# KiCad board chromogram.kicad_pcb (continued)
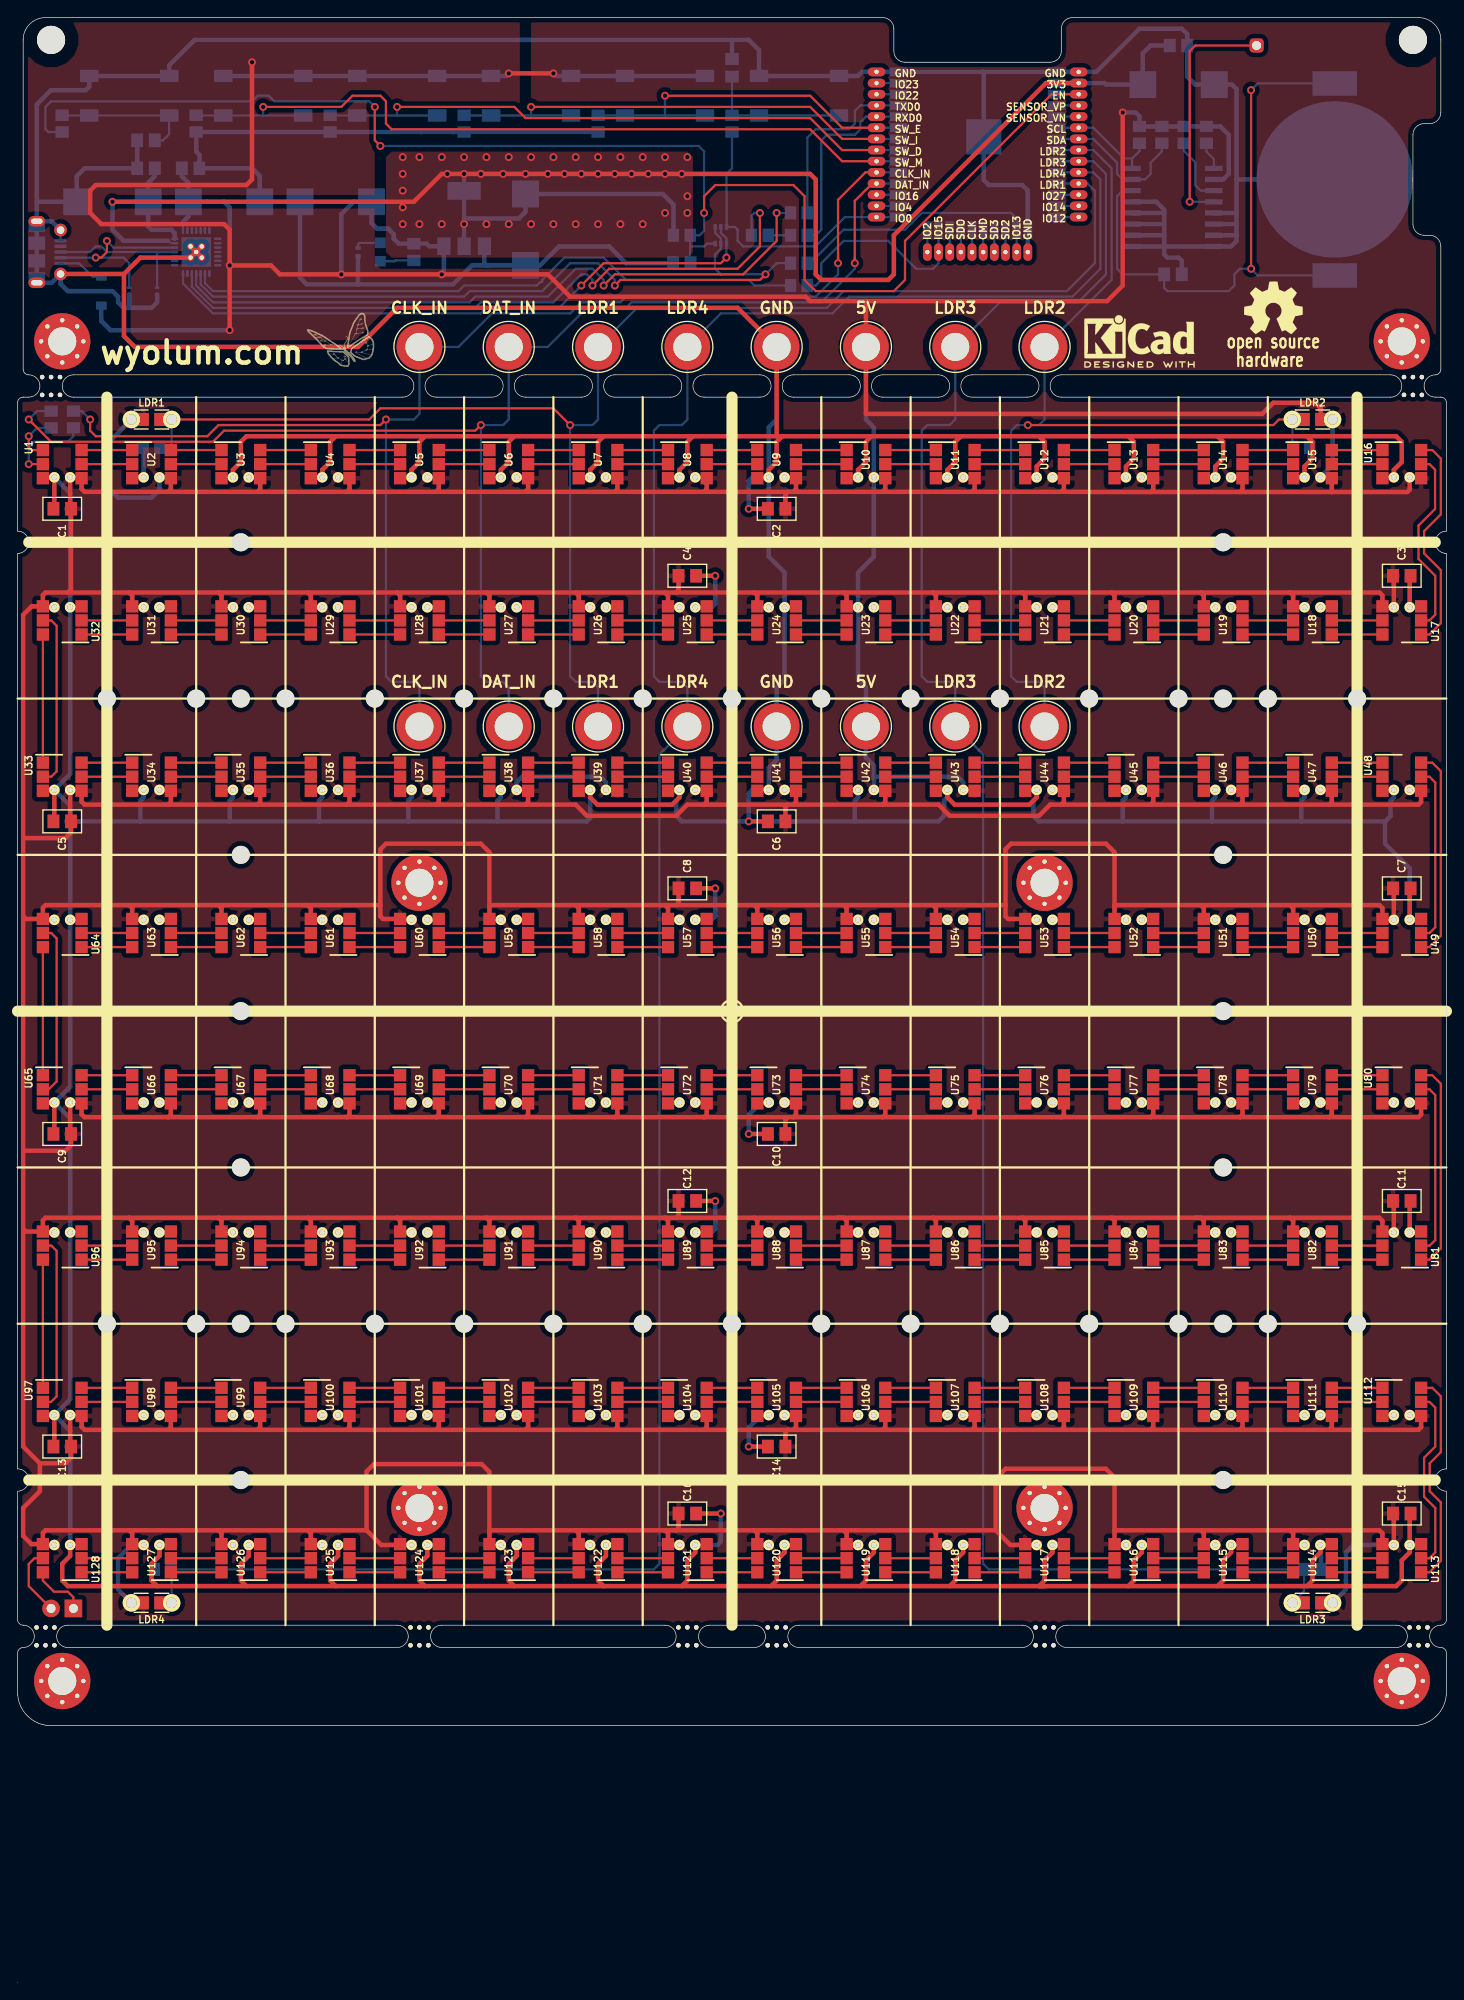
[diagram p0: board, top side]
## Nets
/3V3: C18.1 C23.1 C24.1 C27.1 C28.1 R3.1 U129.2 U131.2 U132.6 U132.7
/5V: C1.2 C2.2 C3.2 C4.2 C5.2 C6.2 C7.2 C8.2 C9.2 C10.2 C11.2 C12.2 C13.2 C14.2 C15.2 C16.2 C17.1 C25.1 C26.1 D1.2 J7.1 J15.1 LDR1.1 LDR2.1 LDR3.1 LDR4.1 R4.1 R6.1 R7.1 R8.1 R9.1 S1.1 S1.3 S2.1 S2.3 S5.1 S5.3 S6.1 S6.3 U1.4 U2.4 U3.4 U4.4 U5.4 U6.4 U7.4 U8.4 U9.4 U10.4 U11.4 U12.4 U13.4 U14.4 U15.4 U16.4 U17.4 U18.4 U19.4 U20.4 U21.4 U22.4 U23.4 U24.4 U25.4 U26.4 U27.4 U28.4 U29.4 U30.4 U31.4 U32.4 U33.4 U34.4 U35.4 U36.4 U37.4 U38.4 U39.4 U40.4 U41.4 U42.4 U43.4 U44.4 U45.4 U46.4 U47.4 U48.4 U49.4 U50.4 U51.4 U52.4 U53.4 U54.4 U55.4 U56.4 U57.4 U58.4 U59.4 U60.4 U61.4 U62.4 U63.4 U64.4 U65.4 U66.4 U67.4 U68.4 U69.4 U70.4 U71.4 U72.4 U73.4 U74.4 U75.4 U76.4 U77.4 U78.4 U79.4 U80.4 U81.4 U82.4 U83.4 U84.4 U85.4 U86.4 U87.4 U88.4 U89.4 U90.4 U91.4 U92.4 U93.4 U94.4 U95.4 U96.4 U97.4 U98.4 U99.4 U100.4 U101.4 U102.4 U103.4 U104.4 U105.4 U106.4 U107.4 U108.4 U109.4 U110.4 U111.4 U112.4 U113.4 U114.4 U115.4 U116.4 U117.4 U118.4 U119.4 U120.4 U121.4 U122.4 U123.4 U124.4 U125.4 U126.4 U127.4 U128.4 U130.2 U131.3 U132.8
GND: BT1.2 C1.1 C2.1 C3.1 C4.1 C5.1 C6.1 C7.1 C8.1 C9.1 C10.1 C11.1 C12.1 C13.1 C14.1 C15.1 C16.1 C17.2 C18.2 C19.2 C20.2 C21.2 C22.2 C23.2 C24.2 C25.2 C26.2 C27.2 C28.2 D3.1 D4.1 J8.1 J16.1 JP1.1 P1.5 P1.6 R10.2 R11.2 R12.2 R13.2 R14.2 R15.2 R24.2 R25.2 S3.2 S3.4 S4.2 S4.4 U1.3 U2.3 U3.3 U4.3 U5.3 U6.3 U7.3 U8.3 U9.3 U10.3 U11.3 U12.3 U13.3 U14.3 U15.3 U16.3 U17.3 U18.3 U19.3 U20.3 U21.3 U22.3 U23.3 U24.3 U25.3 U26.3 U27.3 U28.3 U29.3 U30.3 U31.3 U32.3 U33.3 U34.3 U35.3 U36.3 U37.3 U38.3 U39.3 U40.3 U41.3 U42.3 U43.3 U44.3 U45.3 U46.3 U47.3 U48.3 U49.3 U50.3 U51.3 U52.3 U53.3 U54.3 U55.3 U56.3 U57.3 U58.3 U59.3 U60.3 U61.3 U62.3 U63.3 U64.3 U65.3 U66.3 U67.3 U68.3 U69.3 U70.3 U71.3 U72.3 U73.3 U74.3 U75.3 U76.3 U77.3 U78.3 U79.3 U80.3 U81.3 U82.3 U83.3 U84.3 U85.3 U86.3 U87.3 U88.3 U89.3 U90.3 U91.3 U92.3 U93.3 U94.3 U95.3 U96.3 U97.3 U98.3 U99.3 U100.3 U101.3 U102.3 U103.3 U104.3 U105.3 U106.3 U107.3 U108.3 U109.3 U110.3 U111.3 U112.3 U113.3 U114.3 U115.3 U116.3 U117.3 U118.3 U119.3 U120.3 U121.3 U122.3 U123.3 U124.3 U125.3 U126.3 U127.3 U128.3 U129.1 U129.15 U129.38 U129.39 U130.5 U130.6 U130.7 U130.8 U130.9 U130.10 U130.11 U130.12 U130.13 U131.1 U132.3 U132.29
/CI_A: R2.2 U1.2
/CI_B: U16.5 U17.2
/CI_C: U32.5 U33.2
/CI_D: U48.5 U49.2
/CI_E: U64.5 U65.2
/CI_F: U80.5 U81.2
/CI_G: U96.5 U97.2
/CI_H: U112.5 U113.2
/CLK: U129.20
/CLK_IN: J1.1 J9.1 R2.1 U129.29
/CLK_OUT: P2.2 U128.5
/CMD: U129.19
/DAT_IN: J2.1 J10.1 R1.1 U129.28
/DAT_OUT: P2.1 U128.6
/DI_A: R1.2 U1.1
/DI_B: U16.6 U17.1
/DI_C: U32.6 U33.1
/DI_D: U48.6 U49.1
/DI_E: U64.6 U65.1
/DI_F: U80.6 U81.1
/DI_G: U96.6 U97.1
/DI_H: U112.6 U113.1
/DTR: Q1.2 Q1.4 U132.28
/EN: C19.1 Q1.6 R3.2 R16.1 U129.3
/esp_pwr_uart/CTS: R19.2 U132.23
/esp_pwr_uart/RTS: Q1.1 Q1.5 R20.2 U132.24
/esp_pwr_uart/RXD: R21.2 U132.25
/esp_pwr_uart/TXD: R22.1 R23.2
/esp_pwr_uart/USB_D+: D3.2 P1.3 U132.4
/esp_pwr_uart/USB_D-: D4.2 P1.2 U132.5
/IO0: Q1.3 R18.1 U129.25
/IO2: U129.24
/IO4: U129.26
/IO12: U129.14
/IO13: R20.1 U129.16
/IO14: U129.13
/IO15: R19.1 U129.23
/IO16: U129.27
/IO22: U129.36
/IO23: U129.37
/IO27: U129.12
/LDR1: J3.1 J11.1 LDR1.2 R12.1 U129.11
/LDR2: J4.1 J12.1 LDR2.2 R13.1 U129.8
/LDR3: J5.1 J13.1 LDR3.2 R14.1 U129.9
/LDR4: J6.1 J14.1 LDR4.2 R15.1 U129.10
/rtc_ds3231/32kHz: R7.2 U130.1
/rtc_ds3231/BAT: BT1.1 C22.1 U130.14
/rtc_ds3231/RESET: TP1.1 U130.4
/rtc_ds3231/SQR: R6.2 U130.3
/RXD0: R23.1 U129.34
/SCL: R8.2 U129.6 U130.16
/SD2: U129.17
/SD3: U129.18
/SDA: R9.2 U129.7 U130.15
/SDI: U129.22
/SDO: U129.21
/SENSOR_VN: U129.5
/SENSOR_VP: U129.4
/SW_D: R24.1 S5.2 S5.4 U129.31
/SW_E: R10.1 S1.2 S1.4 U129.33
/SW_I: R11.1 S2.2 S2.4 U129.32
/SW_M: R25.1 S6.2 S6.4 U129.30
/TXD0: R21.1 U129.35
Net-(C20-Pad1): C20.1 R16.2 S3.1 S3.3
Net-(C21-Pad1): C21.1 R18.2 S4.1 S4.3
Net-(D1-Pad1): D1.1 P1.1
Net-(D2-Pad1): D2.1 R4.2
Net-(D2-Pad2): D2.2 JP1.2
Net-(R22-Pad2): R22.2 U132.26
Net-(U1-Pad5): U1.5 U2.2
Net-(U1-Pad6): U1.6 U2.1
Net-(U2-Pad5): U2.5 U3.2
Net-(U2-Pad6): U2.6 U3.1
Net-(U3-Pad5): U3.5 U4.2
Net-(U3-Pad6): U3.6 U4.1
Net-(U4-Pad5): U4.5 U5.2
Net-(U4-Pad6): U4.6 U5.1
Net-(U5-Pad5): U5.5 U6.2
Net-(U5-Pad6): U5.6 U6.1
Net-(U6-Pad5): U6.5 U7.2
Net-(U6-Pad6): U6.6 U7.1
Net-(U7-Pad5): U7.5 U8.2
Net-(U7-Pad6): U7.6 U8.1
Net-(U8-Pad5): U8.5 U9.2
Net-(U8-Pad6): U8.6 U9.1
Net-(U10-Pad1): U9.6 U10.1
Net-(U10-Pad2): U9.5 U10.2
Net-(U10-Pad5): U10.5 U11.2
Net-(U10-Pad6): U10.6 U11.1
Net-(U11-Pad5): U11.5 U12.2
Net-(U11-Pad6): U11.6 U12.1
Net-(U12-Pad5): U12.5 U13.2
Net-(U12-Pad6): U12.6 U13.1
Net-(U13-Pad5): U13.5 U14.2
Net-(U13-Pad6): U13.6 U14.1
Net-(U14-Pad5): U14.5 U15.2
Net-(U14-Pad6): U14.6 U15.1
Net-(U15-Pad5): U15.5 U16.2
Net-(U15-Pad6): U15.6 U16.1
Net-(U17-Pad5): U17.5 U18.2
Net-(U17-Pad6): U17.6 U18.1
Net-(U18-Pad5): U18.5 U19.2
Net-(U18-Pad6): U18.6 U19.1
Net-(U19-Pad5): U19.5 U20.2
Net-(U19-Pad6): U19.6 U20.1
Net-(U20-Pad5): U20.5 U21.2
Net-(U20-Pad6): U20.6 U21.1
Net-(U21-Pad5): U21.5 U22.2
Net-(U21-Pad6): U21.6 U22.1
Net-(U22-Pad5): U22.5 U23.2
Net-(U22-Pad6): U22.6 U23.1
Net-(U23-Pad5): U23.5 U24.2
Net-(U23-Pad6): U23.6 U24.1
Net-(U24-Pad5): U24.5 U25.2
Net-(U24-Pad6): U24.6 U25.1
Net-(U25-Pad5): U25.5 U26.2
Net-(U25-Pad6): U25.6 U26.1
Net-(U26-Pad5): U26.5 U27.2
Net-(U26-Pad6): U26.6 U27.1
Net-(U27-Pad5): U27.5 U28.2
Net-(U27-Pad6): U27.6 U28.1
Net-(U28-Pad5): U28.5 U29.2
Net-(U28-Pad6): U28.6 U29.1
Net-(U29-Pad5): U29.5 U30.2
Net-(U29-Pad6): U29.6 U30.1
Net-(U30-Pad5): U30.5 U31.2
Net-(U30-Pad6): U30.6 U31.1
Net-(U31-Pad5): U31.5 U32.2
Net-(U31-Pad6): U31.6 U32.1
Net-(U33-Pad5): U33.5 U34.2
Net-(U33-Pad6): U33.6 U34.1
Net-(U34-Pad5): U34.5 U35.2
Net-(U34-Pad6): U34.6 U35.1
Net-(U35-Pad5): U35.5 U36.2
Net-(U35-Pad6): U35.6 U36.1
Net-(U36-Pad5): U36.5 U37.2
Net-(U36-Pad6): U36.6 U37.1
Net-(U37-Pad5): U37.5 U38.2
Net-(U37-Pad6): U37.6 U38.1
Net-(U38-Pad5): U38.5 U39.2
Net-(U38-Pad6): U38.6 U39.1
Net-(U39-Pad5): U39.5 U40.2
Net-(U39-Pad6): U39.6 U40.1
Net-(U40-Pad5): U40.5 U41.2
Net-(U40-Pad6): U40.6 U41.1
Net-(U41-Pad5): U41.5 U42.2
Net-(U41-Pad6): U41.6 U42.1
Net-(U42-Pad5): U42.5 U43.2
Net-(U42-Pad6): U42.6 U43.1
Net-(U43-Pad5): U43.5 U44.2
Net-(U43-Pad6): U43.6 U44.1
Net-(U44-Pad5): U44.5 U45.2
Net-(U44-Pad6): U44.6 U45.1
Net-(U45-Pad5): U45.5 U46.2
Net-(U45-Pad6): U45.6 U46.1
Net-(U46-Pad5): U46.5 U47.2
Net-(U46-Pad6): U46.6 U47.1
Net-(U47-Pad5): U47.5 U48.2
Net-(U47-Pad6): U47.6 U48.1
Net-(U49-Pad5): U49.5 U50.2
Net-(U49-Pad6): U49.6 U50.1
Net-(U50-Pad5): U50.5 U51.2
Net-(U50-Pad6): U50.6 U51.1
Net-(U51-Pad5): U51.5 U52.2
Net-(U51-Pad6): U51.6 U52.1
Net-(U52-Pad5): U52.5 U53.2
Net-(U52-Pad6): U52.6 U53.1
Net-(U53-Pad5): U53.5 U54.2
Net-(U53-Pad6): U53.6 U54.1
Net-(U54-Pad5): U54.5 U55.2
Net-(U54-Pad6): U54.6 U55.1
Net-(U55-Pad5): U55.5 U56.2
Net-(U55-Pad6): U55.6 U56.1
Net-(U56-Pad5): U56.5 U57.2
Net-(U56-Pad6): U56.6 U57.1
Net-(U57-Pad5): U57.5 U58.2
Net-(U57-Pad6): U57.6 U58.1
Net-(U58-Pad5): U58.5 U59.2
Net-(U58-Pad6): U58.6 U59.1
Net-(U59-Pad5): U59.5 U60.2
Net-(U59-Pad6): U59.6 U60.1
Net-(U60-Pad5): U60.5 U61.2
Net-(U60-Pad6): U60.6 U61.1
Net-(U61-Pad5): U61.5 U62.2
Net-(U61-Pad6): U61.6 U62.1
Net-(U62-Pad5): U62.5 U63.2
Net-(U62-Pad6): U62.6 U63.1
Net-(U63-Pad5): U63.5 U64.2
Net-(U63-Pad6): U63.6 U64.1
Net-(U65-Pad5): U65.5 U66.2
Net-(U65-Pad6): U65.6 U66.1
Net-(U66-Pad5): U66.5 U67.2
Net-(U66-Pad6): U66.6 U67.1
Net-(U67-Pad5): U67.5 U68.2
Net-(U67-Pad6): U67.6 U68.1
Net-(U68-Pad5): U68.5 U69.2
Net-(U68-Pad6): U68.6 U69.1
Net-(U69-Pad5): U69.5 U70.2
Net-(U69-Pad6): U69.6 U70.1
Net-(U70-Pad5): U70.5 U71.2
Net-(U70-Pad6): U70.6 U71.1
Net-(U71-Pad5): U71.5 U72.2
Net-(U71-Pad6): U71.6 U72.1
Net-(U72-Pad5): U72.5 U73.2
Net-(U72-Pad6): U72.6 U73.1
Net-(U73-Pad5): U73.5 U74.2
Net-(U73-Pad6): U73.6 U74.1
Net-(U74-Pad5): U74.5 U75.2
Net-(U74-Pad6): U74.6 U75.1
Net-(U75-Pad5): U75.5 U76.2
Net-(U75-Pad6): U75.6 U76.1
Net-(U76-Pad5): U76.5 U77.2
Net-(U76-Pad6): U76.6 U77.1
Net-(U77-Pad5): U77.5 U78.2
Net-(U77-Pad6): U77.6 U78.1
Net-(U78-Pad5): U78.5 U79.2
Net-(U78-Pad6): U78.6 U79.1
Net-(U79-Pad5): U79.5 U80.2
Net-(U79-Pad6): U79.6 U80.1
Net-(U81-Pad5): U81.5 U82.2
Net-(U81-Pad6): U81.6 U82.1
Net-(U82-Pad5): U82.5 U83.2
Net-(U82-Pad6): U82.6 U83.1
Net-(U83-Pad5): U83.5 U84.2
Net-(U83-Pad6): U83.6 U84.1
Net-(U84-Pad5): U84.5 U85.2
Net-(U84-Pad6): U84.6 U85.1
Net-(U85-Pad5): U85.5 U86.2
Net-(U85-Pad6): U85.6 U86.1
Net-(U86-Pad5): U86.5 U87.2
Net-(U86-Pad6): U86.6 U87.1
Net-(U87-Pad5): U87.5 U88.2
Net-(U87-Pad6): U87.6 U88.1
Net-(U88-Pad5): U88.5 U89.2
Net-(U88-Pad6): U88.6 U89.1
Net-(U89-Pad5): U89.5 U90.2
Net-(U89-Pad6): U89.6 U90.1
Net-(U90-Pad5): U90.5 U91.2
Net-(U90-Pad6): U90.6 U91.1
Net-(U91-Pad5): U91.5 U92.2
Net-(U91-Pad6): U91.6 U92.1
Net-(U92-Pad5): U92.5 U93.2
Net-(U92-Pad6): U92.6 U93.1
Net-(U93-Pad5): U93.5 U94.2
Net-(U93-Pad6): U93.6 U94.1
Net-(U94-Pad5): U94.5 U95.2
Net-(U94-Pad6): U94.6 U95.1
Net-(U95-Pad5): U95.5 U96.2
Net-(U95-Pad6): U95.6 U96.1
Net-(U97-Pad5): U97.5 U98.2
Net-(U97-Pad6): U97.6 U98.1
Net-(U98-Pad5): U98.5 U99.2
Net-(U98-Pad6): U98.6 U99.1
Net-(U100-Pad1): U99.6 U100.1
Net-(U100-Pad2): U99.5 U100.2
Net-(U100-Pad5): U100.5 U101.2
Net-(U100-Pad6): U100.6 U101.1
Net-(U101-Pad5): U101.5 U102.2
Net-(U101-Pad6): U101.6 U102.1
Net-(U102-Pad5): U102.5 U103.2
Net-(U102-Pad6): U102.6 U103.1
Net-(U103-Pad5): U103.5 U104.2
Net-(U103-Pad6): U103.6 U104.1
Net-(U104-Pad5): U104.5 U105.2
Net-(U104-Pad6): U104.6 U105.1
Net-(U105-Pad5): U105.5 U106.2
Net-(U105-Pad6): U105.6 U106.1
Net-(U106-Pad5): U106.5 U107.2
Net-(U106-Pad6): U106.6 U107.1
Net-(U107-Pad5): U107.5 U108.2
Net-(U107-Pad6): U107.6 U108.1
Net-(U108-Pad5): U108.5 U109.2
Net-(U108-Pad6): U108.6 U109.1
Net-(U109-Pad5): U109.5 U110.2
Net-(U109-Pad6): U109.6 U110.1
Net-(U110-Pad5): U110.5 U111.2
Net-(U110-Pad6): U110.6 U111.1
Net-(U111-Pad5): U111.5 U112.2
Net-(U111-Pad6): U111.6 U112.1
Net-(U113-Pad5): U113.5 U114.2
Net-(U113-Pad6): U113.6 U114.1
Net-(U114-Pad5): U114.5 U115.2
Net-(U114-Pad6): U114.6 U115.1
Net-(U115-Pad5): U115.5 U116.2
Net-(U115-Pad6): U115.6 U116.1
Net-(U116-Pad5): U116.5 U117.2
Net-(U116-Pad6): U116.6 U117.1
Net-(U117-Pad5): U117.5 U118.2
Net-(U117-Pad6): U117.6 U118.1
Net-(U118-Pad5): U118.5 U119.2
Net-(U118-Pad6): U118.6 U119.1
Net-(U119-Pad5): U119.5 U120.2
Net-(U119-Pad6): U119.6 U120.1
Net-(U120-Pad5): U120.5 U121.2
Net-(U120-Pad6): U120.6 U121.1
Net-(U121-Pad5): U121.5 U122.2
Net-(U121-Pad6): U121.6 U122.1
Net-(U122-Pad5): U122.5 U123.2
Net-(U122-Pad6): U122.6 U123.1
Net-(U123-Pad5): U123.5 U124.2
Net-(U123-Pad6): U123.6 U124.1
Net-(U124-Pad5): U124.5 U125.2
Net-(U124-Pad6): U124.6 U125.1
Net-(U125-Pad5): U125.5 U126.2
Net-(U125-Pad6): U125.6 U126.1
Net-(U126-Pad5): U126.5 U127.2
Net-(U126-Pad6): U126.6 U127.1
Net-(U127-Pad5): U127.5 U128.2
Net-(U127-Pad6): U127.6 U128.1

Pads without a net: HB47 1; HB48 1; HB49 1; HB50 1; HB51 1; HB52 1; HB53 1; HB54 1; P1 4; U132 1 2 9 10 11 12 13 14 15 16 17 18 19 20 21 22 27

## Via types
v1: diameter 0.9, hole 0.5, Top to Bottom, 93 vias

## Routing (per net, layer and track width the routed paths; a pad name or vN(x,y) marks a point on that pad's centre or on a via; arc(x,y) is an arc through that point)
/3V3: length 215.5
  Top w0.508: v1(10.8,202.56) 45.09,202.56 48.26,205.74 v1(50.8,205.74) 90.17,205.74 90.81,205.1 90.81,194.31 91.44,193.68 99.06,193.68 99.7,194.31 99.7,198.75 117.01,216.07 U129.2
  Bottom w0.152: 17.15,198.12 17.41,197.85 U132.6
  Bottom w0.508: U129.2 U129.2 123.66,216.07 123.83,215.9 C27.1 128.02,219.46 128.91,220.34 C28.1 ; C23.1 14.86,199.77 15.24,199.39 17.49,199.39 17.87,199.01 U132.7 ; C23.1 14.86,204.72 15.6,205.47 C24.1 ; C23.1 v1(10.8,202.56) 10.8,199.39 12.06,198.12 17.15,198.12 ; U131.2 50.8,200.66 ; 50.8,200.66 U131.2 v1(50.8,205.74) ; 50.8,200.66 57.02,200.66 57.79,201.42 C18.1 73.41,203.45 74.61,202.25 R3.1
  vias: v1(43.82,207.64) v1(43.82,205.74) v1(43.82,203.83) v1(43.82,201.93) v1(43.82,200.02) v1(45.72,207.64) v1(45.72,200.02) v1(48.26,207.64) v1(48.26,200.02) v1(48.9,205.74) v1(50.8,207.64) v1(50.8,200.02) v1(52.71,205.74) v1(53.34,207.64) v1(53.34,200.02) v1(55.24,205.74) v1(55.88,207.64) v1(55.88,200.02) v1(57.79,205.74) v1(58.42,207.64) v1(58.42,200.02) v1(60.32,205.74) v1(60.96,207.64) v1(60.96,200.02) v1(62.23,205.74) v1(63.5,207.64) v1(63.5,200.02) v1(64.13,205.74) v1(66.04,207.64) v1(66.04,205.74) v1(66.04,200.02) v1(67.94,205.74) v1(68.58,207.64) v1(68.58,200.02) v1(69.85,205.74) v1(71.12,207.64) v1(71.12,200.02) v1(71.75,205.74) v1(73.66,207.64) v1(73.66,205.74) v1(73.66,201.29) v1(75.56,205.74) v1(76.2,207.64) v1(76.2,203.2) v1(76.2,201.29)
/5V: length 2376.5
  Top w0.508: 149.52,169.54 158.12,169.54 158.38,169.81 158.38,171.22 159.58,171.22 U16.4 ; 149.52,169.54 U15.4 149.42,171.22 148.22,171.22 ; 149.52,169.54 139.06,169.54 ; U72.4 78.3,100.1 U72.4 78.4,98.72 78.11,98.42 ; 88.27,98.42 88.56,98.72 U73.4 88.46,100.1 U73.4 ; 88.27,98.42 87.63,98.42 ; 88.27,98.42 98.43,98.42 ; U50.4 145.22,120.88 145.12,120.98 145.12,122.22 144.78,122.56 ; U68.4 37.66,100.1 U68.4 37.76,98.72 37.46,98.42 ; 88.27,62.86 98.43,62.86 ; 88.27,62.86 87.63,62.86 ; 88.27,62.86 88.56,63.16 U105.4 88.46,64.54 U105.4 ; 98.43,62.86 108.59,62.86 ; 98.43,62.86 98.72,63.16 U106.4 98.62,64.54 U106.4 ; 17.15,98.42 27.3,98.42 ; 17.15,98.42 17.44,98.72 U66.4 17.34,100.1 U66.4 ; 17.15,98.42 7.62,98.42 7.28,98.76 U65.4 7.18,100.1 U65.4 5.98,96.62 C9.2 6.08,95.24 5.46,94.61 0.63,94.61 ; 27.3,98.42 37.46,98.42 ; 27.3,98.42 27.6,98.72 U67.4 27.5,100.1 U67.4 ; 37.46,98.42 47.63,98.42 ; LDR2.1 LDR2.1 148.27,179.06 147.62,179.7 142.88,179.7 141.61,178.44 96.52,178.44 J7.1 96.52,191.26 ; U76.4 118.94,100.1 U76.4 119.04,98.72 118.75,98.42 ; 63.5,158.12 63.84,157.77 U26.4 63.94,156.44 U26.4 ; 63.5,158.12 73.66,158.12 ; 63.5,158.12 53.34,158.12 ; 0.63,121.28 0.94,120.98 U64.4 ; 0.63,121.28 0.63,130.17 ; 0.63,121.28 0.63,94.61 ; 88.27,169.57 98.43,169.57 ; 88.27,169.57 87.63,169.57 ; 88.27,169.57 88.56,169.87 U9.4 88.46,171.22 U9.4 ; 98.43,169.57 98.72,169.87 U10.4 98.62,171.22 U10.4 ; 98.43,169.57 108.59,169.57 ; U59.4 53.78,120.88 U59.4 53.68,122.56 ; 108.59,62.86 108.88,63.16 U107.4 108.78,64.54 U107.4 ; 108.59,62.86 118.75,62.86 ; 134.62,51.44 134.96,51.09 U115.4 135.06,49.76 U115.4 ; 134.62,51.44 124.8,51.44 ; 134.62,51.44 144.78,51.44 ; v1(55.88,217.17) v1(60.96,217.17) ; 63.5,87 73.66,87 ; 63.5,87 63.84,86.66 U90.4 63.94,85.32 U90.4 ; 63.5,87 53.34,87 ; 73.66,87 74,86.66 U89.4 74.1,85.32 U89.4 ; 73.66,87 74.93,87 ; 87.63,98.42 87.36,98.16 C10.2 ; 87.63,98.42 78.11,98.42 ; 128.91,62.86 139.06,62.86 ; 128.91,62.86 118.75,62.86 ; 128.91,62.86 129.2,63.16 U109.4 129.1,64.54 U109.4 ; 139.06,62.86 139.36,63.16 U110.4 139.26,64.54 U110.4 ; 139.06,62.86 149.22,62.86 ; 53.68,51.44 53.68,58.08 52.79,58.97 40.55,58.97 39.7,58.12 39.7,51.44 ; 53.68,51.44 U123.4 53.78,49.76 U123.4 ; 53.68,51.44 63.5,51.44 ; 83.82,51.44 84.16,51.09 84.16,49.86 84.26,49.76 U120.4 ; 83.82,51.44 74.93,51.44 ; 83.82,51.44 93.98,51.44 ; C12.2 75.2,87.26 74.93,87 ; 128.91,133.98 139.06,133.98 ; 128.91,133.98 129.2,134.28 U45.4 129.1,135.66 U45.4 ; 128.91,133.98 118.75,133.98 ; 139.06,133.98 149.22,133.98 ; 139.06,133.98 139.36,134.28 U46.4 139.26,135.66 U46.4 ; 5.72,158.12 6.08,158.48 C1.2 5.98,167.74 U1.4 7.18,171.22 U1.4 7.28,169.91 7.62,169.57 17.15,169.57 ; 5.72,158.12 3.18,158.12 2.88,157.82 U32.4 ; 5.72,158.12 12.7,158.12 ; U7.4 68.14,171.22 U7.4 68.24,169.87 67.94,169.57 ; 148.22,135.66 149.42,135.66 U47.4 149.52,134.28 149.22,133.98 ; U108.4 118.94,64.54 U108.4 119.04,63.16 118.75,62.86 ; U22.4 104.58,156.44 U22.4 104.48,157.77 104.14,158.12 ; 158.38,64.54 159.58,64.54 U112.4 159.68,63.16 159.39,62.86 149.22,62.86 ; 124.46,87 124.8,86.66 U84.4 124.9,85.32 U84.4 ; 124.46,87 133.99,87 ; 124.46,87 114.3,87 ; 12.7,87 12.7,86.97 13.04,86.63 U95.4 13.14,85.32 U95.4 ; 12.7,87 3.18,87 2.88,86.7 U96.4 ; 12.7,87 22.86,87 ; 67.94,98.42 68.24,98.72 U71.4 68.14,100.1 U71.4 ; 67.94,98.42 57.79,98.42 ; 67.94,98.42 78.11,98.42 ; U126.4 23.3,49.76 U126.4 23.2,51.09 22.86,51.44 ; U52.4 124.9,120.88 U52.4 124.8,122.56 ; U60.4 43.62,120.88 U60.4 41.58,120.98 41.27,121.28 41.27,122.56 ; U27.4 53.78,156.44 U27.4 53.68,157.77 53.34,158.12 ; 149.22,133.98 159.39,133.98 159.68,134.28 U48.4 159.58,135.66 158.38,135.66 ; C6.2 87.36,133.72 87.63,133.98 ; 47.63,169.57 57.79,169.57 ; 47.63,169.57 37.46,169.57 ; 47.63,169.57 47.92,169.87 47.92,171.12 47.82,171.22 46.62,171.22 ; 57.79,169.57 67.94,169.57 ; 57.79,169.57 58.08,169.87 U6.4 57.98,171.22 56.78,171.22 ; 67.94,169.57 78.11,169.57 ; U51.4 135.06,120.88 U51.4 134.96,122.22 134.62,122.56 ; U91.4 53.78,85.32 U91.4 53.68,86.66 53.34,87 ; 22.86,158.12 33.02,158.12 ; 22.86,158.12 23.2,157.77 U30.4 23.3,156.44 U30.4 ; 22.86,158.12 12.7,158.12 ; 33.02,158.12 33.36,157.77 U29.4 33.46,156.44 U29.4 ; 33.02,158.12 43.18,158.12 ; 112.4,122.56 112.4,121.28 112.7,120.98 U53.4 114.74,120.88 U53.4 ; 112.4,122.56 112.4,128.91 113.03,129.54 123.83,129.54 124.8,128.56 124.8,122.56 ; 112.4,122.56 104.14,122.56 ; 74.93,51.44 75.2,51.7 C16.2 ; 74.93,51.44 73.66,51.44 ; 12.7,122.56 13.04,122.22 U63.4 13.14,120.88 U63.4 ; 12.7,122.56 3.18,122.56 2.88,122.26 U64.4 ; 12.7,122.56 22.86,122.56 ; 37.46,133.98 47.63,133.98 ; 37.46,133.98 27.3,133.98 ; 37.46,133.98 37.76,134.28 U36.4 37.66,135.66 U36.4 ; 47.63,133.98 57.79,133.98 ; 47.63,133.98 47.92,134.28 47.92,135.56 47.82,135.66 46.62,135.66 ; 134.62,158.12 144.78,158.12 ; 134.62,158.12 134.62,158.09 134.96,157.75 U19.4 135.06,156.44 U19.4 ; 134.62,158.12 124.46,158.12 ; 144.78,158.12 154.94,158.12 155.28,157.77 155.28,156.54 155.38,156.44 U17.4 156.58,159.92 C3.2 ; 144.78,158.12 145.12,157.77 145.12,156.54 145.22,156.44 U18.4 ; 37.46,62.86 47.63,62.86 ; 37.46,62.86 27.3,62.86 ; 37.46,62.86 37.76,63.16 U100.4 37.66,64.54 U100.4 ; 47.63,62.86 57.79,62.86 ; 47.63,62.86 47.92,63.16 47.92,64.44 47.82,64.54 46.62,64.54 ; 57.79,62.86 58.08,63.16 U102.4 57.98,64.54 56.78,64.54 ; 57.79,62.86 67.94,62.86 ; U8.4 78.3,171.22 U8.4 78.4,169.87 78.11,169.57 ; U124.4 43.62,49.76 U124.4 41.38,49.76 39.7,51.44 ; 133.99,87 144.78,87 ; 133.99,87 134.59,87 134.96,86.63 U83.4 135.06,85.32 U83.4 ; 149.22,62.86 149.52,63.16 U111.4 149.42,64.54 148.22,64.54 ; U28.4 43.62,156.44 U28.4 43.52,157.77 43.18,158.12 ; 104.14,122.56 104.48,122.22 U54.4 104.58,120.88 U54.4 ; 104.14,122.56 93.98,122.56 ; U127.4 13.14,49.76 U127.4 13.04,51.09 12.7,51.44 ; 158.38,100.1 159.58,100.1 U80.4 159.68,98.72 159.39,98.42 149.22,98.42 ; 104.14,158.12 93.98,158.12 ; 104.14,158.12 114.3,158.12 ; U4.4 37.66,171.22 U4.4 37.76,169.87 37.46,169.57 ; 118.75,133.98 117.47,133.98 116.21,132.72 106.05,132.72 104.78,133.98 98.43,133.98 ; 118.75,133.98 119.04,134.28 U44.4 118.94,135.66 U44.4 ; U93.4 33.46,85.32 U93.4 33.36,86.66 33.02,87 ; U64.4 2.98,120.88 U64.4 ; U35.4 27.5,135.66 U35.4 27.6,134.28 27.3,133.98 ; 53.34,87 43.18,87 ; 114.3,158.12 114.64,157.77 U21.4 114.74,156.44 U21.4 ; 114.3,158.12 124.46,158.12 ; 144.78,51.44 145.12,51.09 145.12,49.86 145.22,49.76 U114.4 ; 144.78,51.44 154.94,51.44 155.28,51.09 155.28,49.86 155.38,49.76 U113.4 156.58,53.24 C15.2 ; 47.63,98.42 57.79,98.42 ; 47.63,98.42 47.92,98.72 47.92,100 47.82,100.1 46.62,100.1 ; 57.79,98.42 58.08,98.72 U70.4 57.98,100.1 56.78,100.1 ; 96.52,191.26 90.17,191.26 89.66,191.77 62.87,191.77 60.32,194.31 v1(48.26,194.31) v1(36.83,194.31) 29.85,194.31 28.83,195.33 v1(24.13,195.33) ; 96.52,191.26 123.95,191.26 125.73,193.04 v1(125.73,212.72) ; 124.8,122.56 134.62,122.56 ; 57.79,133.98 58.08,134.28 U38.4 57.98,135.66 56.78,135.66 ; 57.79,133.98 63.5,133.98 64.77,132.72 74.93,132.72 76.2,133.98 78.11,133.98 ; 43.18,87 43.52,86.66 U92.4 43.62,85.32 U92.4 ; 43.18,87 33.02,87 ; U82.4 145.22,85.32 145.12,85.42 145.12,86.66 144.78,87 ; U125.4 33.46,49.76 U125.4 33.36,51.09 33.02,51.44 ; 67.94,62.86 68.24,63.16 U103.4 68.14,64.54 U103.4 ; 67.94,62.86 78.11,62.86 ; 27.3,62.86 17.15,62.86 ; 27.3,62.86 27.6,63.16 U99.4 27.5,64.54 U99.4 ; 118.75,169.57 119.04,169.87 U12.4 118.94,171.22 U12.4 ; 118.75,169.57 121.86,169.57 121.88,169.54 128.91,169.54 ; 118.75,169.57 108.59,169.57 ; 39.7,51.44 33.02,51.44 ; 33.02,51.44 22.86,51.44 ; 128.91,169.54 139.06,169.54 ; 128.91,169.54 129.2,169.84 U13.4 129.1,171.22 U13.4 ; 27.3,133.98 17.15,133.98 ; 148.22,100.1 149.42,100.1 U79.4 149.52,98.72 149.22,98.42 ; 149.22,98.42 139.06,98.42 ; 73.66,158.12 73.66,158.09 74,157.75 U25.4 74.1,156.44 U25.4 ; 73.66,158.12 74.93,158.12 ; U119.4 94.42,49.76 U119.4 94.32,51.09 93.98,51.44 ; 17.15,133.98 7.62,133.98 7.28,134.32 U33.4 7.18,135.66 U33.4 5.98,132.18 C5.2 6.08,130.8 5.46,130.17 0.63,130.17 ; 17.15,133.98 17.44,134.28 U34.4 17.34,135.66 U34.4 ; 139.06,169.54 139.36,169.84 U14.4 139.26,171.22 U14.4 ; C2.2 87.36,169.3 87.63,169.57 ; 111.28,51.44 104.14,51.44 ; 111.28,51.44 111.28,57.31 112.41,58.43 123.81,58.43 124.8,57.44 124.8,51.44 ; 111.28,51.44 112.96,49.76 U117.4 114.74,49.76 U117.4 ; 104.14,51.44 104.48,51.09 U118.4 104.58,49.76 U118.4 ; 104.14,51.44 93.98,51.44 ; U128.4 1.58,49.86 0.63,50.8 0.63,53.97 2.54,55.88 2.54,59.06 ; U128.4 2.98,49.76 U128.4 ; U128.4 2.88,51.14 3.18,51.44 12.7,51.44 ; 93.98,122.56 83.82,122.56 ; 93.98,122.56 94.32,122.22 U55.4 94.42,120.88 U55.4 ; 83.82,122.56 84.16,122.22 84.16,120.98 84.26,120.88 U56.4 ; 83.82,122.56 74.93,122.56 ; 144.78,87 154.91,87 155.28,86.63 155.28,85.42 155.38,85.32 U81.4 156.58,88.8 C11.2 ; LDR1.1 LDR1.1 ; U32.4 1.6,156.54 0.63,155.57 0.63,130.17 ; U32.4 2.98,156.44 U32.4 ; LDR4.1 LDR4.1 ; 37.46,169.57 27.3,169.57 ; U121.4 74.1,49.76 U121.4 74,51.09 73.66,51.44 ; U40.4 78.3,135.66 U40.4 78.4,134.28 78.11,133.98 ; 87.63,169.57 78.11,169.57 ; 83.82,87 84.16,86.66 84.16,85.42 84.26,85.32 U88.4 ; 83.82,87 74.93,87 ; 83.82,87 93.34,87 ; U75.4 108.78,100.1 U75.4 108.88,98.72 108.59,98.42 ; 17.15,62.86 17.44,63.16 U98.4 17.34,64.54 U98.4 ; 17.15,62.86 7.62,62.86 7.28,63.2 U97.4 7.18,64.54 U97.4 5.98,61.06 C13.2 6.08,59.68 5.46,59.06 2.54,59.06 ; 87.63,62.86 87.36,62.59 C14.2 ; 87.63,62.86 78.11,62.86 ; 93.34,87 93.95,87 94.32,86.63 U87.4 94.42,85.32 U87.4 ; 93.34,87 104.14,87 ; 73.66,122.56 74,122.22 U57.4 74.1,120.88 U57.4 ; 73.66,122.56 63.5,122.56 ; 73.66,122.56 74.93,122.56 ; U94.4 23.3,85.32 U94.4 23.2,86.66 22.86,87 ; 22.86,87 33.02,87 ; 93.98,158.12 94.32,157.77 U23.4 94.42,156.44 U23.4 ; 93.98,158.12 83.82,158.12 ; 41.27,122.56 32.38,122.56 ; 41.27,122.56 41.27,128.91 41.91,129.54 52.71,129.54 53.68,128.56 53.68,122.56 ; 144.78,122.56 154.94,122.56 155.28,122.22 155.28,120.98 155.38,120.88 U49.4 156.58,124.36 C7.2 ; 144.78,122.56 134.62,122.56 ; 63.5,122.56 53.68,122.56 ; 63.5,122.56 63.84,122.22 U58.4 63.94,120.88 U58.4 ; U24.4 84.26,156.44 84.16,156.54 84.16,157.77 83.82,158.12 ; 118.75,98.42 128.91,98.42 ; 118.75,98.42 108.59,98.42 ; 128.91,98.42 129.2,98.72 U77.4 129.1,100.1 U77.4 ; 128.91,98.42 139.06,98.42 ; 104.14,87 104.48,86.66 U86.4 104.58,85.32 U86.4 ; 104.14,87 114.3,87 ; U116.4 124.9,49.76 U116.4 124.8,51.44 ; U39.4 68.14,135.66 U39.4 ; 98.43,98.42 108.59,98.42 ; 98.43,98.42 98.72,98.72 U74.4 98.62,100.1 U74.4 ; 2.54,59.06 0.63,60.96 0.63,85.72 ; 17.15,169.57 27.3,169.57 ; 17.15,169.57 17.44,169.87 U2.4 17.34,171.22 U2.4 ; 27.3,169.57 27.6,169.87 U3.4 27.5,171.22 U3.4 ; U78.4 139.26,100.1 U78.4 139.36,98.72 139.06,98.42 ; 78.11,62.86 78.4,63.16 U104.4 78.3,64.54 U104.4 ; 114.3,87 114.64,86.66 U85.4 114.74,85.32 U85.4 ; U96.4 0.94,85.42 0.63,85.72 ; U96.4 2.98,85.32 U96.4 ; 73.66,51.44 63.5,51.44 ; v1(24.13,195.33) v1(24.13,187.96) ; v1(24.13,195.33) 24.13,199.39 23.49,200.02 9.52,200.02 8.26,201.29 8.26,203.83 8.89,204.47 26.04,204.47 26.67,205.1 v1(26.67,218.44) ; 108.59,169.57 108.88,169.87 U11.4 108.78,171.22 U11.4 ; U62.4 23.3,120.88 U62.4 23.2,122.22 22.86,122.56 ; 0.63,94.61 0.63,85.72 ; 63.5,51.44 63.84,51.09 U122.4 63.94,49.76 U122.4 ; 98.43,133.98 98.72,134.28 U42.4 98.62,135.66 U42.4 ; 98.43,133.98 88.27,133.98 ; 124.46,158.12 124.8,157.77 U20.4 124.9,156.44 U20.4 ; 74.93,122.56 75.2,122.82 C8.2 ; U31.4 13.14,156.44 U31.4 13.04,157.77 12.7,158.12 ; 78.11,133.98 87.63,133.98 ; 87.63,133.98 88.27,133.98 ; 22.86,122.56 32.99,122.56 33.36,122.19 U61.4 33.46,120.88 U61.4 ; 12.7,51.44 22.86,51.44 ; 88.27,133.98 88.56,134.28 U41.4 88.46,135.66 U41.4 ; 53.34,158.12 43.18,158.12 ; U43.4 108.78,135.66 U43.4 ; 74.93,158.12 75.2,158.38 C4.2 ; 74.93,158.12 83.82,158.12 ; LDR3.1 LDR3.1